# Altium PCB main.PcbDoc
Units mm, origin at the board's own origin, x right, y up, seen from the top; angles counter-clockwise.
Board outline 103.5 x 63 mm, 4 copper layers (Top SIG, Inner GND 1, Inner GND 2, Bottom SIG), stack 1.592 mm thick; 97 components, 57 nets, 439 pads, 279 vias.
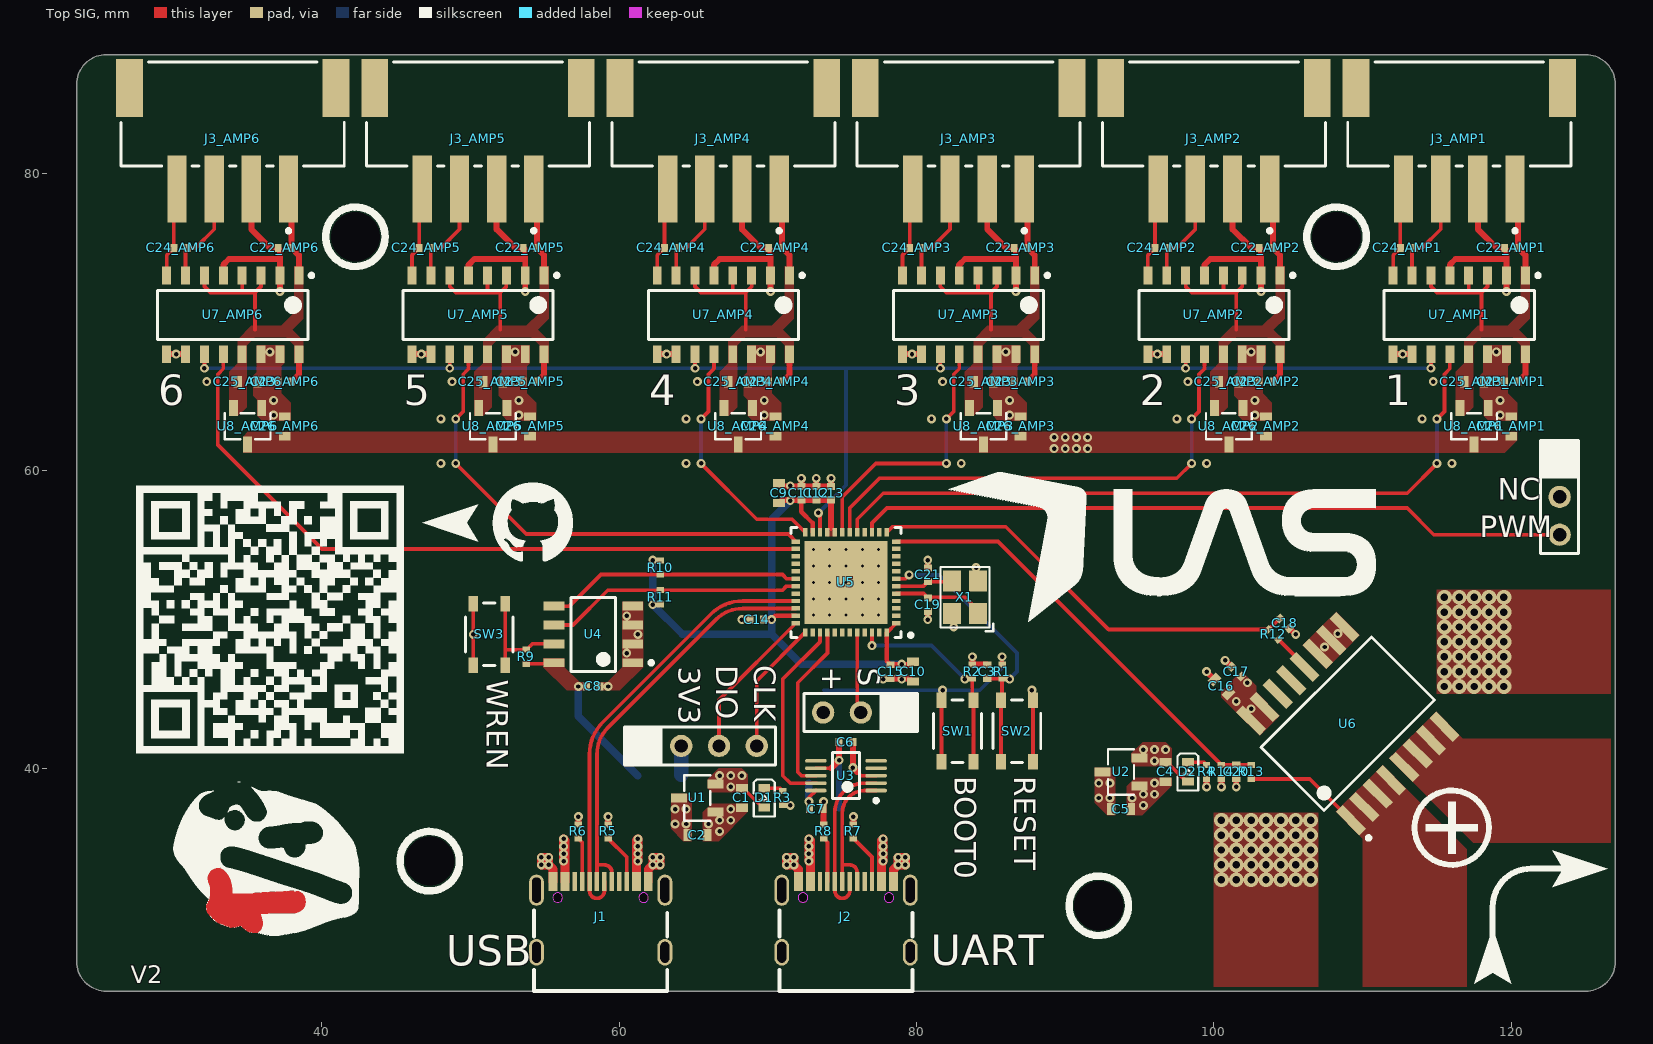
[diagram p0: Top SIG view]
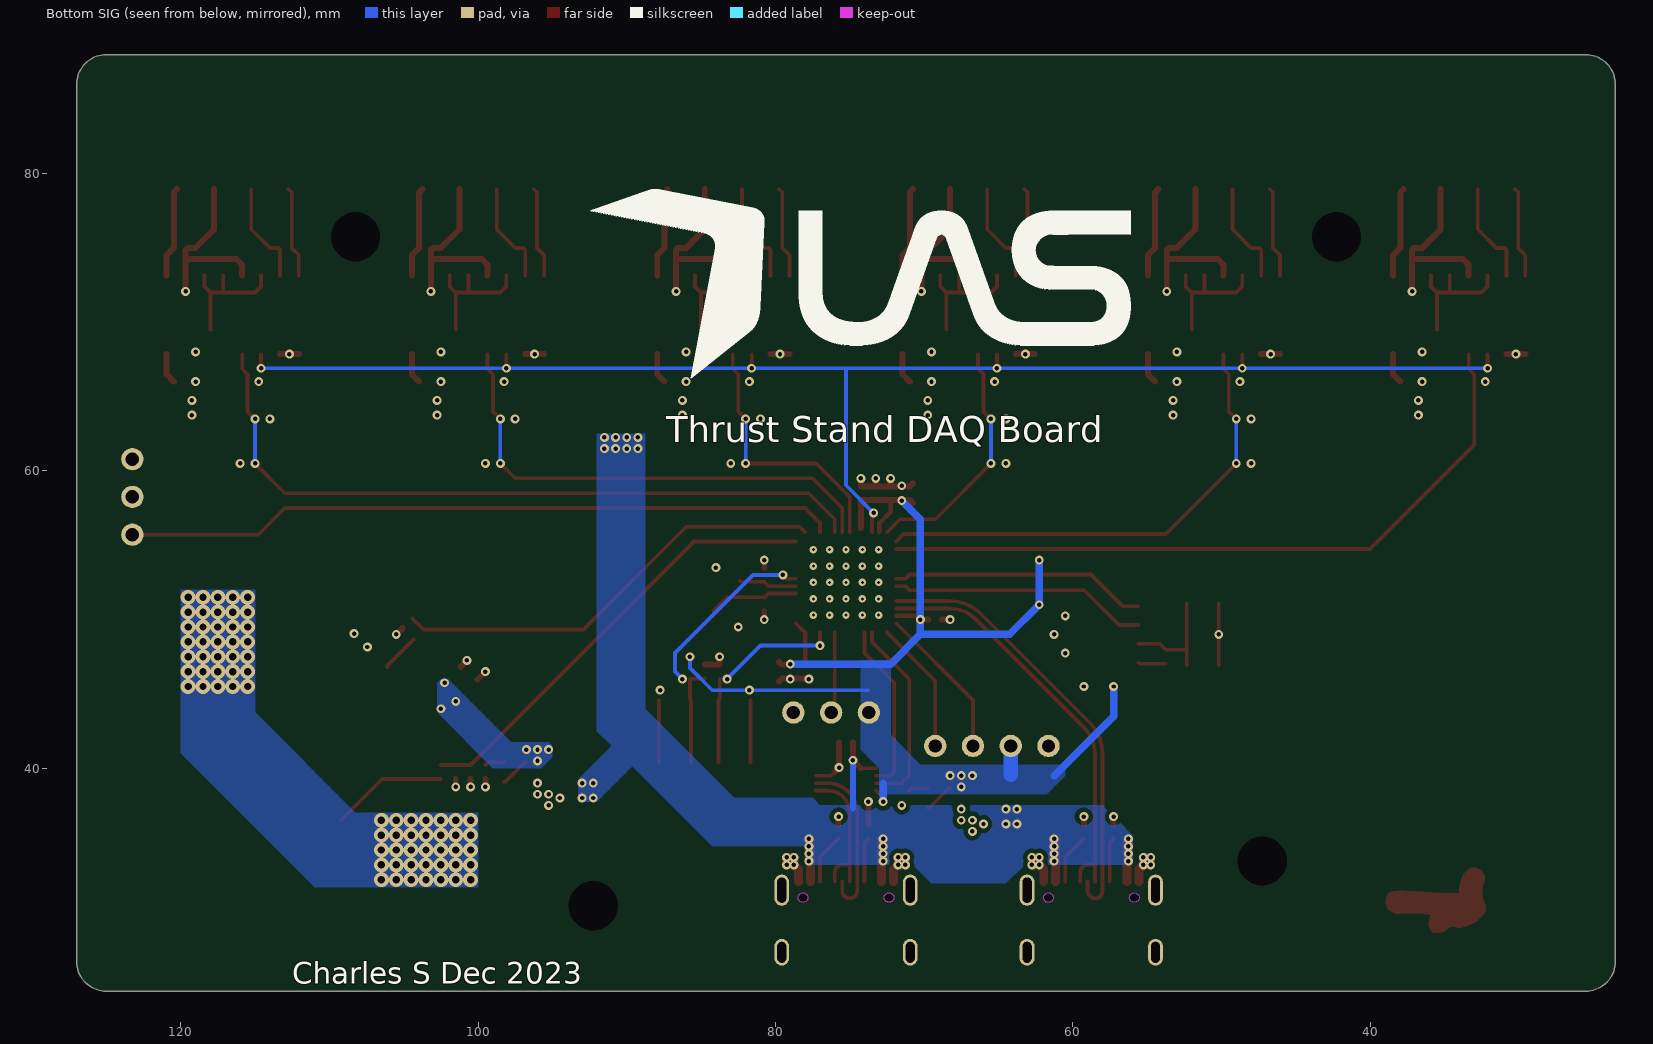
[diagram p1: Bottom SIG view, seen from below]
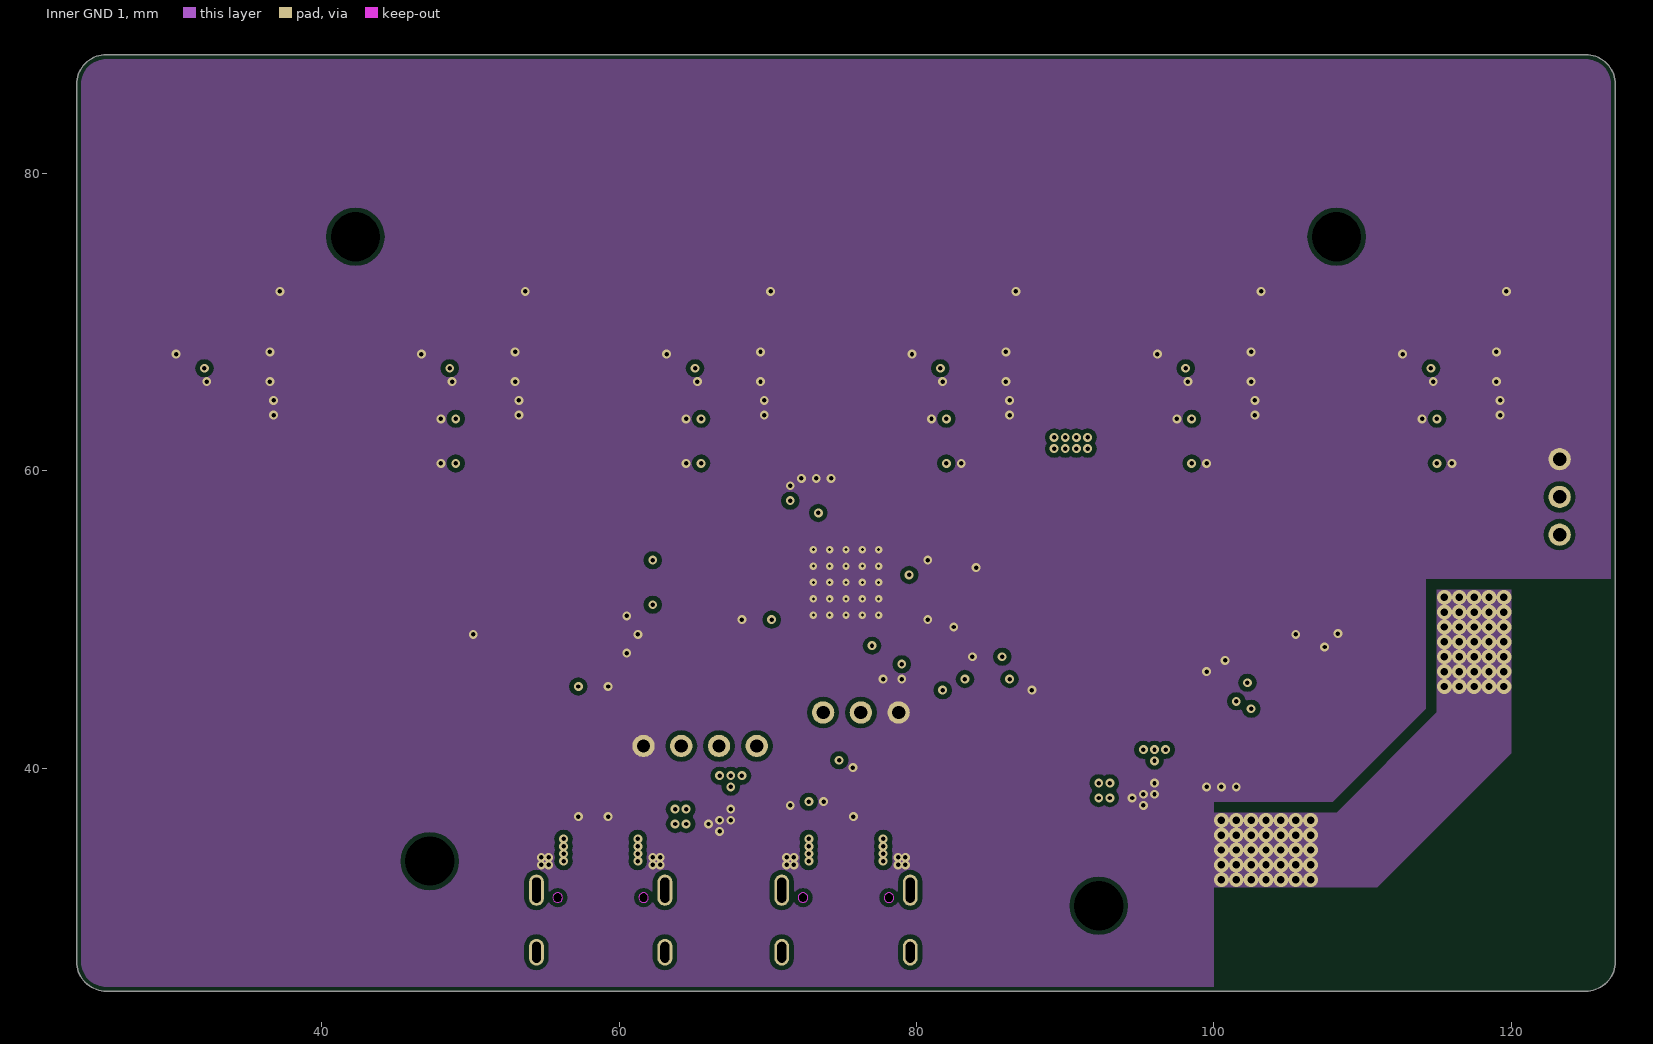
[diagram p2: Inner GND 1]
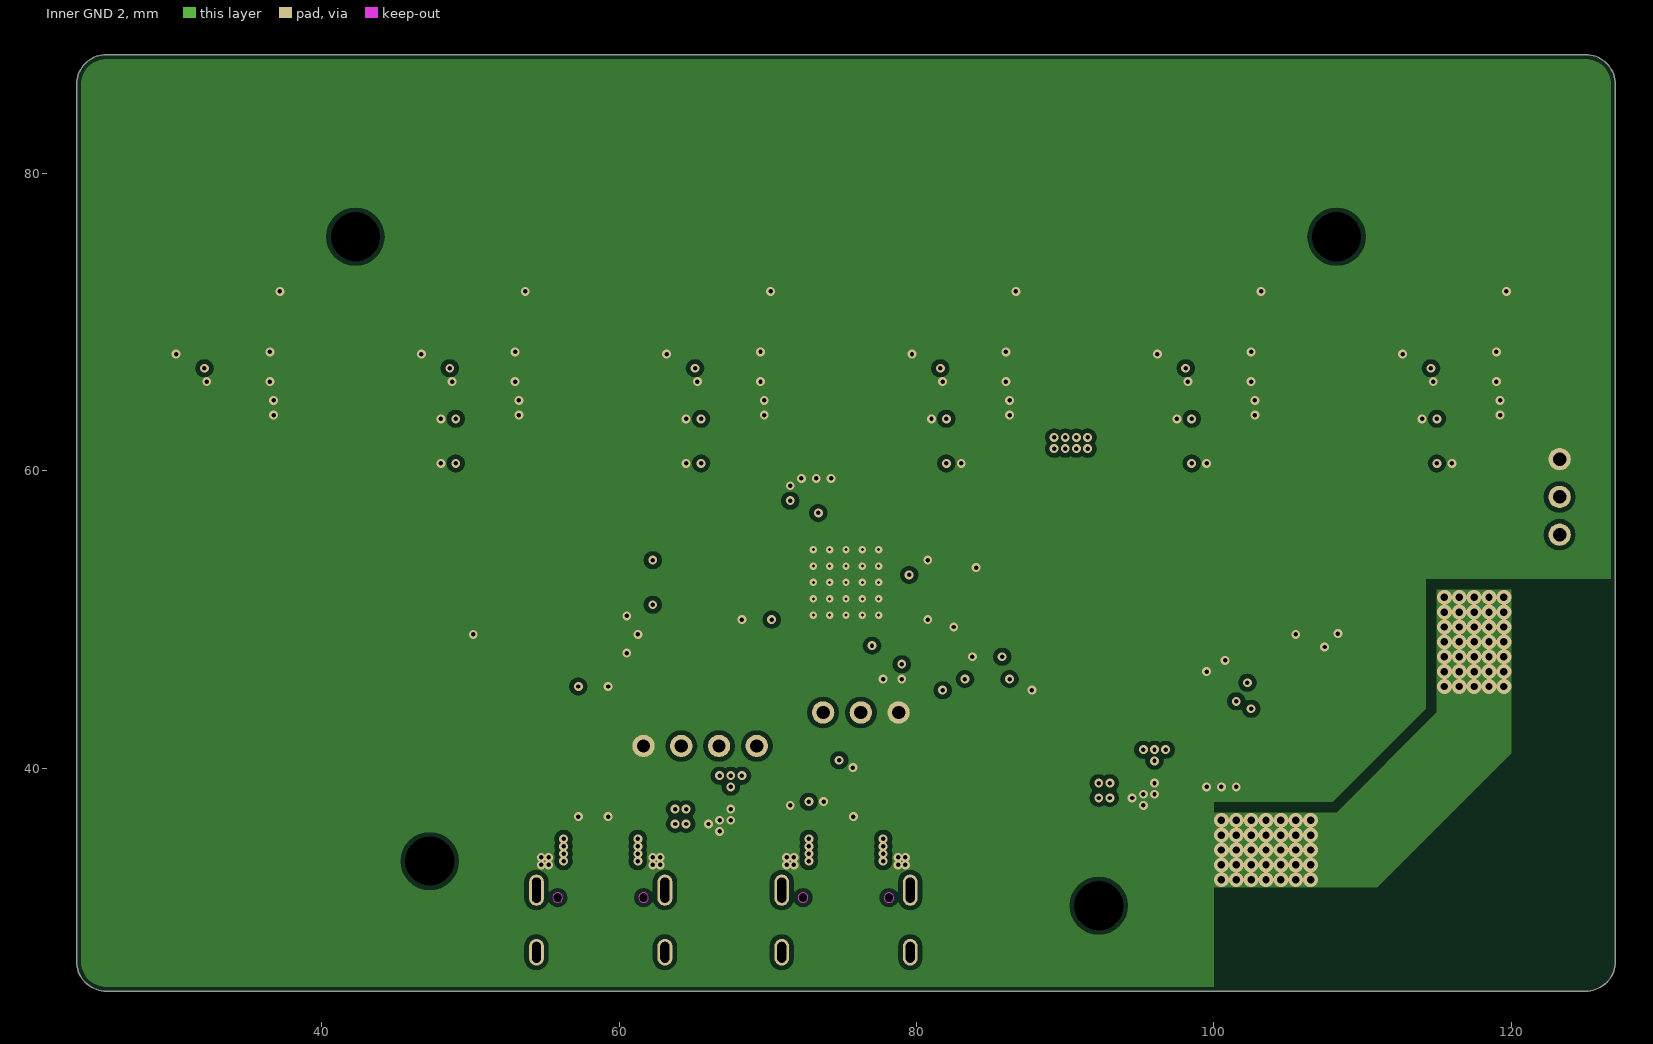
[diagram p3: Inner GND 2]

## Layer stack, top to bottom
Top Solder: solder mask 0.0102, Solder Resist, Dk 3.5
Top SIG: signal copper 0.035
Dielectric 2: prepreg 0.2104, PP-006, Dk 4.4
Inner GND 1: signal copper 0.018
Dielectric 1: dielectric 1.065, FR-4, Dk 4.6
Inner GND 2: signal copper 0.018
Dielectric 3: prepreg 0.2104, PP-006, Dk 4.4
Bottom SIG: signal copper 0.035
Bottom Solder: solder mask 0.0102, Solder Resist, Dk 3.5

## Board outline
23.5,27 23.5,86 cw(c25.5,86) 25.5,88 125,88 cw(c125,86) 127,86 127,27 cw(c125,27) 125,25 25.5,25 cw(c25.5,27)

## Design rules (kind name [scope] priority, off if disabled: settings)
BoardOutlineClearance [All] p1: gap=0.3 ignorepadtopadclearanceinfootprint=FALSE except(0: Arc-SplitContinuation Track-SplitContinuation SMDPad-SplitContinuation THPad-SplitContinuation Via-SplitContinuation Fill-SplitContinuation Poly-SplitContinuation Region-SplitContinuation Text-SplitContinuation)
Clearance [All] p1: gap=0.3 ignorepadtopadclearanceinfootprint=TRUE except(0: Arc-Hole Track-Hole SMDPad-Hole THPad-Hole Via-Hole Fill-Hole Poly-Hole Region-Hole Text-Hole; 0.2: Arc-Arc Arc-Track Arc-SMDPad Track-Track Track-SMDPad)
DiffPairsRouting [All] p1: maxlimit=0.3 minlimit=0.25 mostfreqgap=0.25 toplayer_minwidth=0.25 toplayer_maxwidth=0.3 toplayer_prefwidth=0.25 midlayer1_minwidth=0.25 midlayer1_maxwidth=0.3 midlayer1_prefwidth=0.25 midlayer2_minwidth=0.25 midlayer2_maxwidth=0.3 midlayer2_prefwidth=0.25 bottomlayer_minwidth=0.25 bottomlayer_maxwidth=0.3 bottomlayer_prefwidth=0.25 maxuncoupledlength=12.7
PolygonConnect [All] p1: connectstyle=Direct reliefconductorwidth=0.254 reliefentries=4 polygonreliefangle="90 Angle" airgapwidth=0.254
RoutingVias [All] p1: holewidth=0.3 width=0.6 viastyle="Through Hole" minholewidth=0.3 minwidth=0.6 maxholewidth=1 maxwidth=2
SolderMaskExpansion [All] p1: expansion=0.102 istentingtop=FALSE
Width [All] p1: maxlimit=1 minlimit=0.25 preferedwidth=0.25 minimp=50.000000 maximp=50.000000 favimp=50.000000
29 further rules are at their usual default settings.

## Classes and differential pairs
channel class "load cell amp": AMP1 AMP2 AMP3 AMP4 AMP5 AMP6
net class DOUT[1..6]: DOUT1 DOUT2 DOUT3 DOUT4 DOUT5 DOUT6
component class AMP6: C22_AMP6 C23_AMP6 C24_AMP6 C25_AMP6 C26_AMP6 J3_AMP6 U7_AMP6 U8_AMP6
component class AMP5: C22_AMP5 C23_AMP5 C24_AMP5 C25_AMP5 C26_AMP5 J3_AMP5 U7_AMP5 U8_AMP5
component class AMP4: C22_AMP4 C23_AMP4 C24_AMP4 C25_AMP4 C26_AMP4 J3_AMP4 U7_AMP4 U8_AMP4
component class AMP3: C22_AMP3 C23_AMP3 C24_AMP3 C25_AMP3 C26_AMP3 J3_AMP3 U7_AMP3 U8_AMP3
component class AMP2: C22_AMP2 C23_AMP2 C24_AMP2 C25_AMP2 C26_AMP2 J3_AMP2 U7_AMP2 U8_AMP2
component class AMP1: C22_AMP1 C23_AMP1 C24_AMP1 C25_AMP1 C26_AMP1 J3_AMP1 U7_AMP1 U8_AMP1
component class main: C1 C2 C3 C4 C5 C6 C7 C8 C9 C10 C11 C12 C13 C14 C15 C16 C17 C18 C19 C20 C21 D1 D2 J1 J2 R1 R2 R3 R4 R5 R6 R7 R8 R9 R10 R11 R12 R13 R14 SW1 SW2 SW3 U1 U2 U3 U4 U5 U6 X1
differential pair UART_D: +UART_D_P -UART_D_N
differential pair MCU_D: +MCU_D_P -MCU_D_N

## Components (designator, comment, footprint, x,y, rotation, side; value= is the part's Value field where it differs from the comment)
C1 "4.7u" "IPC C C0603 NO SILK" 68.25,38 r90 top
C2 "4.7u" "IPC C C0603 NO SILK" 65.25,35.5 r180 top
C3 "100n" "IPC C C0402 NO SILK" 84.75,46.5 r270 top
C4 "4.7u" "IPC C C0603 NO SILK" 96.75,39.75 r90 top
C5 "4.7u" "IPC C C0603 NO SILK" 93.75,37.25 r180 top
C6 "100n" "IPC C C0402 NO SILK" 75.25,41.75 r180 top
C7 "100n" "IPC C C0402 NO SILK" 73.25,37.25 r180 top
C8 "100n" "IPC C C0402 NO SILK" 58.25,45.5 r180 top
C9 "4.7u" "IPC C C0603 NO SILK" 70.75,58.5 r270 top
C10 "4.7u" "IPC C C0603 NO SILK" 79.75,46.5 r90 top
C11 "100n" "IPC C C0402 NO SILK" 72.25,58.5 r270 top
C12 "100n" "IPC C C0402 NO SILK" 73.25,58.5 r270 top
C13 "100n" "IPC C C0402 NO SILK" 74.25,58.5 r270 top
C14 "100n" "IPC C C0402 NO SILK" 69.25,50 r0 top
C15 "100n" "IPC C C0402 NO SILK" 78.25,46.5 r90 top
C16 "4.7u" "IPC C C0603 NO SILK" 100.5,45.5 r315 top
C17 "100n" "IPC C C0402 NO SILK" 101.5,46.5 r315 top
C18 "100n" "IPC C C0402 NO SILK" 104.75,49.75 r135 top
C19 "15p" "IPC C C0402 NO SILK" 80.75,51 r270 top
C20 "100n" "IPC C C0402 NO SILK" 101.5,39.75 r90 top
C21 "15p" "IPC C C0402 NO SILK" 80.75,53 r90 top
C22_AMP1 "100n" "IPC C C0402 NO SILK" 120,75 r180 top (schematic designator C22)
C22_AMP2 "100n" "IPC C C0402 NO SILK" 103.5,75 r180 top (schematic designator C22)
C22_AMP3 "100n" "IPC C C0402 NO SILK" 87,75 r180 top (schematic designator C22)
C22_AMP4 "100n" "IPC C C0402 NO SILK" 70.5,75 r180 top (schematic designator C22)
C22_AMP5 "100n" "IPC C C0402 NO SILK" 54,75 r180 top (schematic designator C22)
C22_AMP6 "100n" "IPC C C0402 NO SILK" 37.5,75 r180 top (schematic designator C22)
C23_AMP1 "100n" "IPC C C0402 NO SILK" 120,66 r0 top (schematic designator C23)
C23_AMP2 "100n" "IPC C C0402 NO SILK" 103.5,66 r0 top (schematic designator C23)
C23_AMP3 "100n" "IPC C C0402 NO SILK" 87,66 r0 top (schematic designator C23)
C23_AMP4 "100n" "IPC C C0402 NO SILK" 70.5,66 r0 top (schematic designator C23)
C23_AMP5 "100n" "IPC C C0402 NO SILK" 54,66 r0 top (schematic designator C23)
C23_AMP6 "100n" "IPC C C0402 NO SILK" 37.5,66 r0 top (schematic designator C23)
C24_AMP1 "100n" "IPC C C0402 NO SILK" 113,75 r0 top (schematic designator C24)
C24_AMP2 "100n" "IPC C C0402 NO SILK" 96.5,75 r0 top (schematic designator C24)
C24_AMP3 "100n" "IPC C C0402 NO SILK" 80,75 r0 top (schematic designator C24)
C24_AMP4 "100n" "IPC C C0402 NO SILK" 63.5,75 r0 top (schematic designator C24)
C24_AMP5 "100n" "IPC C C0402 NO SILK" 47,75 r0 top (schematic designator C24)
C24_AMP6 "100n" "IPC C C0402 NO SILK" 30.5,75 r0 top (schematic designator C24)
C25_AMP1 "4.7u" "IPC C C0603 NO SILK" 117.5,66 r180 top (schematic designator C25)
C25_AMP2 "4.7u" "IPC C C0603 NO SILK" 101,66 r180 top (schematic designator C25)
C25_AMP3 "4.7u" "IPC C C0603 NO SILK" 84.5,66 r180 top (schematic designator C25)
C25_AMP4 "4.7u" "IPC C C0603 NO SILK" 68,66 r180 top (schematic designator C25)
C25_AMP5 "4.7u" "IPC C C0603 NO SILK" 51.5,66 r180 top (schematic designator C25)
C25_AMP6 "4.7u" "IPC C C0603 NO SILK" 35,66 r180 top (schematic designator C25)
C26_AMP1 "4.7u" "IPC C C0603 NO SILK" 120,63 r270 top (schematic designator C26)
C26_AMP2 "4.7u" "IPC C C0603 NO SILK" 103.5,63 r270 top (schematic designator C26)
C26_AMP3 "4.7u" "IPC C C0603 NO SILK" 87,63 r270 top (schematic designator C26)
C26_AMP4 "4.7u" "IPC C C0603 NO SILK" 70.5,63 r270 top (schematic designator C26)
C26_AMP5 "4.7u" "IPC C C0603 NO SILK" 54,63 r270 top (schematic designator C26)
C26_AMP6 "4.7u" "IPC C C0603 NO SILK" 37.5,63 r270 top (schematic designator C26)
D1 "Generic LED 0603" "IPC C D0603" 69.75,38 r90 top
D2 "Generic LED 0603" "IPC C D0603" 98.25,39.75 r90 top
J1 "USB-TYPE-C-019" USB-TYPE-C-12+4P 58.75,30 r0 top
J2 "USB-TYPE-C-019" USB-TYPE-C-12+4P 75.25,30 r0 top
J3_AMP1 "S4B-XH-SM4-TB(LF)(SN)" FP-S4B-XH-SM4-TB_LF_SN-MFG 116.5,84 r180 top (schematic designator J3)
J3_AMP2 "S4B-XH-SM4-TB(LF)(SN)" FP-S4B-XH-SM4-TB_LF_SN-MFG 100,84 r180 top (schematic designator J3)
J3_AMP3 "S4B-XH-SM4-TB(LF)(SN)" FP-S4B-XH-SM4-TB_LF_SN-MFG 83.5,84 r180 top (schematic designator J3)
J3_AMP4 "S4B-XH-SM4-TB(LF)(SN)" FP-S4B-XH-SM4-TB_LF_SN-MFG 67,84 r180 top (schematic designator J3)
J3_AMP5 "S4B-XH-SM4-TB(LF)(SN)" FP-S4B-XH-SM4-TB_LF_SN-MFG 50.5,84 r180 top (schematic designator J3)
J3_AMP6 "S4B-XH-SM4-TB(LF)(SN)" FP-S4B-XH-SM4-TB_LF_SN-MFG 34,84 r180 top (schematic designator J3)
R1 "5.1k" "IPC C R0402 NO SILK" 85.75,46.5 r90 top
R2 "5.1k" "IPC C R0402 NO SILK" 83.75,46.5 r270 top
R3 "5.1k" "IPC C R0402 NO SILK" 71,38 r90 top
R4 "5.1k" "IPC C R0402 NO SILK" 99.5,39.75 r90 top
R5 "5.1k" "IPC C R0402 NO SILK" 59.25,35.75 r270 top
R6 "5.1k" "IPC C R0402 NO SILK" 57.25,35.75 r270 top
R7 "5.1k" "IPC C R0402 NO SILK" 75.75,35.75 r270 top
R8 "5.1k" "IPC C R0402 NO SILK" 73.75,35.75 r270 top
R9 "5.1k" "IPC C R0402 NO SILK" 53.75,47.5 r270 top
R10 "2.2k" "IPC C R0402 NO SILK" 62.75,53.5 r90 top
R11 "2.2k" "IPC C R0402 NO SILK" 62.75,51.5 r270 top
R12 "2.2k" "IPC C R0402 NO SILK" 104,49 r315 top
R13 "39k" "IPC C R0402 NO SILK" 102.5,39.75 r270 top
R14 "2.2k" "IPC C R0402 NO SILK" 100.5,39.75 r90 top
SW1 "PTS810SJM250SMTRLFS" FP-PTS810SJM250SMTRLFS-MFG 82.75,42.5 r90 top
SW2 "PTS810SJM250SMTRLFS" FP-PTS810SJM250SMTRLFS-MFG 86.75,42.5 r90 top
SW3 "PTS810SJM250SMTRLFS" FP-PTS810SJM250SMTRLFS-MFG 51.25,49 r270 top
U1 "XC6206P332MR" SOT23-3 65.25,38 r0 top
U2 "XC6206P332MR" SOT23-3 93.75,39.75 r0 top
U3 "CH340E" MSOP-UN10_L 75.25,39.5 r180 top
U4 "M24C02-WMN6TP" FP-SO8N-SO-A-MFG 58.25,49 r180 top
U5 "STM32G431CBU6" QFN50P700X700X60_HS-49L 75.25,52.5 r180 top
U6 "ACS733KLATR-65AB-T" FP-LA-16-MFG 109,43 r135 top
U7_AMP1 "HX717" SOIC127P600X160-16L 116.5,70.5 r270 top (schematic designator U7)
U7_AMP2 "HX717" SOIC127P600X160-16L 100,70.5 r270 top (schematic designator U7)
U7_AMP3 "HX717" SOIC127P600X160-16L 83.5,70.5 r270 top (schematic designator U7)
U7_AMP4 "HX717" SOIC127P600X160-16L 67,70.5 r270 top (schematic designator U7)
U7_AMP5 "HX717" SOIC127P600X160-16L 50.5,70.5 r270 top (schematic designator U7)
U7_AMP6 "HX717" SOIC127P600X160-16L 34,70.5 r270 top (schematic designator U7)
U8_AMP1 "XC6206P332MR" SOT23-3 117.5,63 r90 top (schematic designator U8)
U8_AMP2 "XC6206P332MR" SOT23-3 101,63 r90 top (schematic designator U8)
U8_AMP3 "XC6206P332MR" SOT23-3 84.5,63 r90 top (schematic designator U8)
U8_AMP4 "XC6206P332MR" SOT23-3 68,63 r90 top (schematic designator U8)
U8_AMP5 "XC6206P332MR" SOT23-3 51.5,63 r90 top (schematic designator U8)
U8_AMP6 "XC6206P332MR" SOT23-3 35,63 r90 top (schematic designator U8)
X1 "25MHz" OSC-SMD_4P-L3.2-W2.5-BL 83.25,51.5 r90 top

## Footprints (in the part's own frame and the unit in brackets; to place one, negate y for a bottom-side part, rotate by r counter-clockwise, add the part's x,y. Pads: shape width x height; smd on the part's side, far side on the other; paste and mask are expansions set on the pad)
FP-LA-16-MFG [mm]
  rect 2.25x0.65 smd paste+0 mask+0: 1(-4.75,4.445) 2(-4.75,3.175) 3(-4.75,1.905) 4(-4.75,0.635) 5(-4.75,-0.635) 6(-4.75,-1.905) 7(-4.75,-3.175) 8(-4.75,-4.445) 9(4.75,-4.445) 10(4.75,-3.175) 11(4.75,-1.905) 12(4.75,-0.635) 13(4.75,0.635) 14(4.75,1.905) 15(4.75,3.175) 16(4.75,4.445)
  silkscreen extent -6.55,-5.25 3,5.25, body extent -5.97,-5.35 5.97,5.35, height 0.25
FP-PTS810SJM250SMTRLFS-MFG [mm]
  rect 1.05x0.65 smd paste+0 mask+0: 1(-2.075,1.075) 2(2.075,1.075) 3(-2.075,-1.075) 4(2.075,-1.075)
  silkscreen extent -2.1,-1.6 2.1,1.6, body extent -2.7,-1.7 2.7,1.7, height 0.25
FP-S4B-XH-SM4-TB_LF_SN-MFG [mm]
  rect 1.3x4.5 smd paste+0 mask+0: 1(-3.75,5.05) 2(-1.25,5.05) 3(1.25,5.05) 4(3.75,5.05)
  rect 1.8x3.9 smd paste+0 mask+0: 5(-6.95,-1.75) 6(6.95,-1.75)
  silkscreen extent -7.5,-3.5 7.5,7.97, body extent -7.95,-3.8 7.95,7.4, height 0.25
FP-SO8N-SO-A-MFG [mm]
  rect 1.4x0.6 smd paste+0 mask+0: 1(-2.65,1.905) 2(-2.65,0.635) 3(-2.65,-0.635) 4(-2.65,-1.905) 5(2.65,-1.905) 6(2.65,-0.635) 7(2.65,0.635) 8(2.65,1.905)
  silkscreen extent -4.03,-2.5 1.5,2.5, body extent -3.45,-2.6 3.45,2.6, height 0.25
"IPC C C0402 NO SILK" [mm] "Chip Capacitor, 2-Leads, Body 1.02x0.51mm, IPC High Density"
  rect 0.46x0.54 smd: 1(-0.46,0) 2(0.46,0)
  body extent -0.51,-0.26 0.51,0.25, height 0.51
"IPC C C0603 NO SILK" [mm] "Chip Capacitor, 2-Leads, Body 1.52x0.76mm, IPC High Density"
  rect 0.56x0.8 smd: 1(-0.66,0) 2(0.66,0)
  body extent -0.76,-0.38 0.76,0.38, height 0.77
"IPC C D0603" [mm] "Chip Diode, 2-Leads, Body 1.52x0.76mm, IPC High Density"
  rect 0.55x0.8 smd: 1(-0.65,0) 2(0.65,0)
  silkscreen extent -1.25,-0.7 1.25,0.7, body extent -0.76,-0.38 0.76,0.38, height 0.39
"IPC C R0402 NO SILK" [mm] "Chip Resistor, 2-Leads, Body 1.02x0.51mm, IPC High Density"
  rect 0.4x0.5 smd: 1(-0.475,0) 2(0.475,0)
  body extent -0.51,-0.26 0.51,0.26, height 0.26
MSOP-UN10_L [mm] "TSSOP, 10-Leads, Body 3x3mm, Pitch 0.5mm, IPC High Density"
  oval 1.45x0.25 smd: 1(-2.025,1) 2(-2.025,0.5) 3(-2.025,0) 4(-2.025,-0.5) 5(-2.025,-1) 6(2.025,-1) 7(2.025,-0.5) 8(2.025,0) 9(2.025,0.5) 10(2.025,1)
  silkscreen extent -2.15,-1.55 0.9,1.8, body extent -1.55,-1.55 1.55,1.55, height 1.1
OSC-SMD_4P-L3.2-W2.5-BL [mm]
  rect 1.4x1.2 smd mask+0.051: 1(-1.1,-0.875) 2(1.1,-0.875) 3(1.1,0.875) 4(-1.1,0.875)
  silkscreen extent -2.29,-1.9 2.03,1.65
QFN50P700X700X60_HS-49L [mm] "QFN, 48-Leads, Body 7.00x7.00mm, Pitch 0.50mm, Thermal Pad 5.60x5.60mm, IPC High Density"
  rect 0.55x0.3 smd: 1(-3.375,2.75) 2(-3.375,2.25) 3(-3.375,1.75) 4(-3.375,1.25) 5(-3.375,0.75) 6(-3.375,0.25) 7(-3.375,-0.25) 8(-3.375,-0.75) 9(-3.375,-1.25) 10(-3.375,-1.75) 11(-3.375,-2.25) 12(-3.375,-2.75) 25(3.375,-2.75) 26(3.375,-2.25) 27(3.375,-1.75) 28(3.375,-1.25) 29(3.375,-0.75) 30(3.375,-0.25) 31(3.375,0.25) 32(3.375,0.75) 33(3.375,1.25) 34(3.375,1.75) 35(3.375,2.25) 36(3.375,2.75)
  rect 0.3x0.55 smd: 13(-2.75,-3.375) 14(-2.25,-3.375) 15(-1.75,-3.375) 16(-1.25,-3.375) 17(-0.75,-3.375) 18(-0.25,-3.375) 19(0.25,-3.375) 20(0.75,-3.375) 21(1.25,-3.375) 22(1.75,-3.375) 23(2.25,-3.375) 24(2.75,-3.375) 37(2.75,3.375) 38(2.25,3.375) 39(1.75,3.375) 40(1.25,3.375) 41(0.75,3.375) 42(0.25,3.375) 43(-0.25,3.375) 44(-0.75,3.375) 45(-1.25,3.375) 46(-1.75,3.375) 47(-2.25,3.375) 48(-2.75,3.375)
  rect 5.6x5.6 smd: 49(0,0)
  silkscreen extent -4.47,-3.7 3.7,3.7, body extent -3.55,-3.55 3.55,3.55, height 0.6
SOIC127P600X160-16L [mm] "SOIC, 16-Leads, Body 9.90x3.90mm, Pitch 1.27mm, IPC High Density"
  rect 1.2x0.6 smd: 1(-2.65,4.445) 2(-2.65,3.175) 3(-2.65,1.905) 4(-2.65,0.635) 5(-2.65,-0.635) 6(-2.65,-1.905) 7(-2.65,-3.175) 8(-2.65,-4.445) 9(2.65,-4.445) 10(2.65,-3.175) 11(2.65,-1.905) 12(2.65,-0.635) 13(2.65,0.635) 14(2.65,1.905) 15(2.65,3.175) 16(2.65,4.445)
  silkscreen extent -2.77,-5.05 1.65,5.42, body extent -3,-5.05 3,5.05, height 1.6
SOT23-3 [mm]
  rect 1.07x0.6 smd mask+0.051: 1(1.235,-0.95) 2(1.235,0.95) 3(-1.235,0)
  silkscreen extent -0.88,-1.54 0.88,1.54, body extent -1.41,-1.45 1.41,1.45, height 1.5
USB-TYPE-C-12+4P [mm]
  oval 1x2.1 hole 0.6 slot 1.7 at 90 deg mask+0.05: 1(-4.32,1.801) 2(4.32,1.801)
  oval 1x1.8 hole 0.6 slot 1.4 at 90 deg mask+0.05: 3(-4.32,-2.379) 4(4.32,-2.379)
  round 0 hole 0.65 unplated: 6(-2.89,1.302) 7(2.89,1.301)
  rect 0.6x1.3 smd mask+0.05: A1B12(-3.2,2.379) A4B9(-2.4,2.379) B1A12(3.2,2.379) B4A9(2.4,2.379)
  rect 0.3x1.3 smd mask+0.05: A5(-1.25,2.379) A6(-0.25,2.379) A7(0.25,2.379) A8(1.25,2.379) B5(1.75,2.379) B6(0.75,2.379) B7(-0.75,2.379) B8(-1.75,2.379)
  Keep-Out Layer board cut-out: 3.215,1.301 3.183,1.442 3.093,1.555 2.962,1.618 2.818,1.618 2.687,1.555 2.597,1.442 2.565,1.301 2.565,1.301 2.597,1.16 2.687,1.047 2.818,0.984 2.962,0.984 3.093,1.047 3.183,1.16 3.215,1.301
  Keep-Out Layer board cut-out: -2.565,1.302 -2.597,1.443 -2.687,1.556 -2.818,1.619 -2.962,1.619 -3.093,1.556 -3.183,1.443 -3.215,1.302 -3.215,1.302 -3.183,1.161 -3.093,1.048 -2.962,0.985 -2.818,0.985 -2.687,1.048 -2.597,1.161 -2.565,1.302
  silkscreen extent -4.48,-4.99 4.48,0.44, body extent -4.47,-4.95 4.47,2.95, height 3.23
